# Altium PCB oysm_Keyboard.PcbDoc (part 2 of 2)
Units mm, origin at the board's own origin, x right, y up, seen from the top; angles counter-clockwise.
Board outline 76.2 x 76.28 mm, 2 copper layers (Top Layer, Bottom Layer); 115 components, 123 nets, 500 pads, 467 vias.
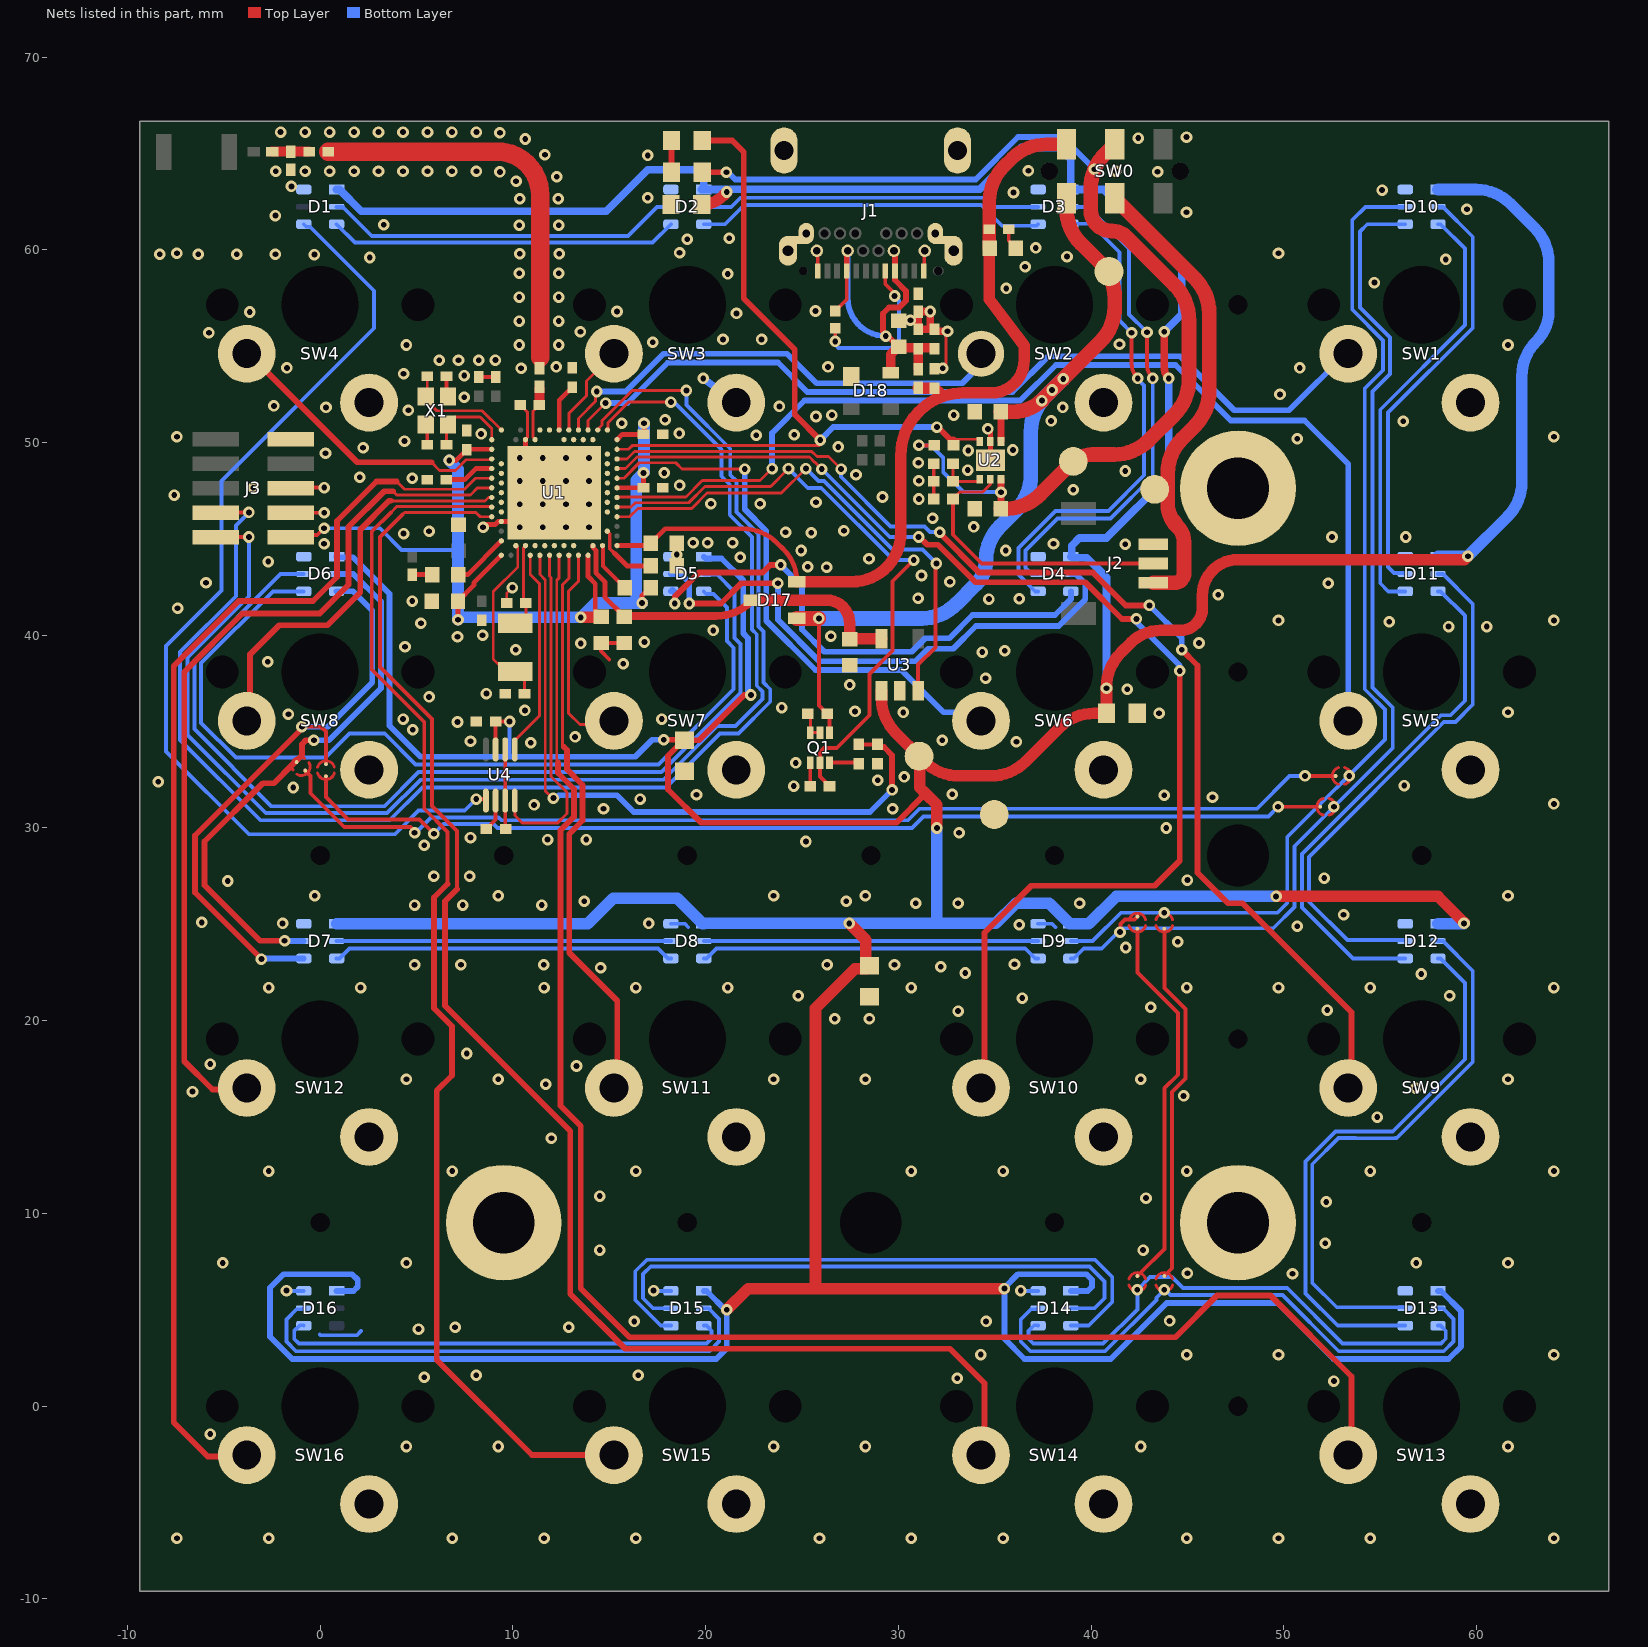
[diagram p2: the nets of this part, all layers, seen from the top]

## Via types
v1: diameter 0.6, hole 0.3, Top Layer to Bottom Layer, tented both sides, 467 vias

## Nets (pads, with @x,y where several pads share a name; then routed paths per layer and width w, separated by ;. In a path a pad name is that pad's centre, name@x,y a point inside that pad or via, vN(x,y) a via of type N, cw(c..) or ccw(c..) an arc to the next point about the centre after c; other vN are vias at no path point) (continued)
GND: C1.2 C2.2 C3.1 C5.2 C6.2 C7.2 C8.2 C9.2 C10.1 C11.2 C12.2 C13.2 C14.2 C15.1 C16.1 C17.1 C18.2 C19.2 C20.2 C21.1 C22.1 C23.1 C24.1 C25.1 C26.1 C28.1 C29.1 C30.1 C31.1 C33.2 C34.2 C35.1 C36.1 C41.1 D1.6 D2.6 D3.6 D4.6 D5.6 D6.6 D7.6 D8.6 D9.6 D10.6 D11.6 D12.6 D13.6 D14.6 D15.6 D16.6 D18.1 FB2.2 J2.1 J3.3 J3.5 J3.9 L6.2 pad.666 Q1.1 R3.2 R4.2 R5.2 R6.2 R9.2 SW1.2 SW2.2 SW3.2 SW4.2 SW5.2 SW6.2 SW7.2 SW8.2 SW9.2 SW10.2 SW11.2 SW12.2 SW13.2 SW14.2 SW15.2 SW16.2 TP5.1 U1.74 U1.B7 U1.F23 U2.2 U2.7 U3.2 U4.2 X1.2 X1.4 | length 44.2
  Top Layer w0.145: C17.1@9.675,41.675 9.675,42.175 v1(9.975,42.475) ; C3.1@10.375,51.952 10.755,51.571 10.755,50.255 U1.F23@10.65,50.15
  Top Layer w0.15: v1(32.3,53.85) 32.475,54.025 32.475,55.7 v1(32.55,55.775)
  Top Layer w0.2: J3.3@-1.525,46.355 v1(0.21,46.355) ; J3.5@-1.525,47.665 v1(0.21,47.665) ; X1.2@5.48,50.936 5.555,50.861 C2.2@5.555,49.883 ; C1.2@6.555,53.439 6.555,52.461 X1.4@6.63,52.386 ; C11.2@8.225,53.4 C10.1@9.1,53.4 ; C21.1@8.625,29.95 9.1,30.425 U4.2@9.1,31.425 ; 15,38.75 14.575,39.175 C6.2@14.575,39.6 C18.2@15.775,39.6 ; C19.2@18.5,43.6 C20.2@18.5,44.775 ; R6.2@25.425,32.175 25.431,32.181 Q1.1@25.431,33.397 ; R5.2@31.834,47.072 R3.2@31.834,47.987 R4.2@31.834,48.901 ; C34.2@35.725,61.075 35.725,60.475 36.1,60.1 C33.2@36.1,60.075
  Top Layer w0.25: v1@8.508,45.742 9.069,45.742 9.226,45.9 U1.B7@9.4,45.9 10.65,45.9 U1.74@12.15,47.4 10.65,48.9 U1.F23@10.65,50.15
  Top Layer w0.254: v1(34.646,50.705) 34.773,50.578 U2.2@34.773,50.054 U2.7@34.773,49.079
  Top Layer w0.4: C30.1@30.025,56.325 30.025,56.35 31.025,56.35 ; v1@32.445,55.775 31.875,55.775 C28.1@31.875,55.875 C28.1@31.65,55.875 ; 31.025,56.35 FB2.2@31.025,56.775 31.025,56.8 v1(31.65,56.8) C28.1@31.65,55.875 ; 31.025,56.35 C31.1@31.025,55.875 C28.1@31.65,55.875
  Bottom Layer w0.2: v1(-1.75,6) -1.73,5.98 D16.6@-0.85,5.98 ; -0.025,3.725 0.02,3.68 1.905,3.68 2.125,3.9 ; v1(17.3,6) 17.32,5.98 D15.6@18.2,5.98 ; D8.6@18.2,25.03 18.92,25.03 19.1,24.85 ; v1(36.35,6) 36.37,5.98 D14.6@37.25,5.98 ; D9.6@37.25,25.03 37.97,25.03 38.15,24.85
  Bottom Layer w0.4: v1(19.875,53.325) SW3.2@21.59,52.07
  other v1: -7.432,-6.857 -2.669,-6.857 6.857,-6.857 11.62,-6.857 16.383,-6.857 25.909,-6.857 30.672,-6.857 35.435,-6.857 44.961,-6.857 49.724,-6.857 54.487,-6.857 64.013,-6.857 4.475,-2.094 9.238,-2.094 23.527,-2.094 28.29,-2.094 42.579,-2.094 61.631,-2.094 -5.7,-1.45 52.6,1.3 33.05,1.45 5.4,1.5 8.1,1.6 16.5,1.6 44.961,2.669 49.724,2.669 64.013,2.669 34.275,2.675 5.1,4 7,4.1 12.9,4.1 16.3,4.4 34.55,4.4 44.075,4.425 50.45,6.875 45,6.9 -5.051,7.432 4.475,7.432 56.868,7.432 61.631,7.432 14.5,8.1 42.7,8.1 52.15,8.45 52.2,10.6 42.85,10.8 14.5,10.9 -2.669,12.195 6.857,12.195 16.383,12.195 30.672,12.195 35.435,12.195 44.961,12.195 54.487,12.195 64.013,12.195 12,13.9 54.85,15 44.8,16.1 -6.625,16.325 56.85,16.5 11.7,16.7 4.475,16.958 9.238,16.958 23.527,16.958 28.29,16.958 42.579,16.958 61.631,16.958 13.3,17.65 -5.7,17.75 7.6,18.3 26.7,20.1 28.5,20.1 33.1,20.5 52.25,20.55 43.1,20.7 36.425,21.175 24.8,21.3 58.6,21.3 -2.669,21.721 2.094,21.721 11.62,21.721 16.383,21.721 21.146,21.721 30.672,21.721 44.961,21.721 49.724,21.721 54.487,21.721 64.013,21.721 57.125,22.425 33.475,22.475 14.55,22.75 32.2,22.8 4.9,22.9 7.3,22.9 11.6,22.9 26.3,22.9 29.8,22.9 36.025,22.925 41.8,23.8 44.5,24.1 50.7,24.9 36.275,24.975 -1.95,25.05 17.05,25.05 -6.15,25.1 53.1,25.5 4.9,26 7.4,26 11.5,26 30.9,26.1 33.1,26.1 39.4,26.1 13.7,26.2 27.3,26.2 -0.288,26.484 9.238,26.484 23.527,26.484 28.29,26.484 61.631,26.484 -4.8,27.25 45,27.3 52.1,27.4 5.9,27.5 7.75,27.5 5.4,29.1 25.2,29.3 11.8,29.4 13.8,29.4 7.8,29.5 33.15,29.75 43.9,30 14.7,31 29.7,31 11.1,31.2 64.013,31.247 16.6,31.5 46.3,31.6 43.8,31.7 19.525,31.725 32.8,31.75 -1.4,32.1 24.575,32.175 56.25,32.2 -8.4,32.4 28.925,32.475 30.3,32.65 24.675,33.375 10.925,34.425 36.125,34.475 7.8,34.5 32.275,34.55 13.225,34.725 4.8,35.1 7.125,35.5 4.3,35.65 17.725,35.65 -1.65,35.9 43.525,35.95 30.25,36 61.631,36.01 27.75,36.05 10.625,36.1 23.95,36.25 5.65,36.8 8.625,36.975 41.875,37.2 27.475,37.425 34.525,37.775 15.725,38.525 -2.725,38.625 34.35,39.125 35.525,39.2 10.15,39.248 4.4,39.4 13.525,39.575 45.6,39.6 16.825,39.65 7.125,39.925 26.5,39.95 8.425,40 20.4,40.25 58.55,40.45 60.525,40.45 5.225,40.625 55.475,40.7 49.724,40.773 64.013,40.773 -7.4,41.4 4.775,41.775 34.7,41.875 36.275,41.9 31.025,41.925 46.6,42.1 52.3,42.7 -5.925,42.725 32.675,42.775 31.2,43.1 26.275,43.525 25.3,43.55 -2.7,43.825 28.475,43.975 21.8,44.05 18.5,44.187 24.95,44.4 35.575,44.4 41.775,44.725 0.2,44.75 38.05,44.75 19.35,44.8 20.1,44.8 21.4,44.8 52.5,45.1 56.325,45.1 4.325,45.275 25.475,45.325 24.15,45.35 5.65,45.4 27.175,45.425 8.45,45.6 10.35,45.6 11.55,45.6 12.75,45.6 13.95,45.6 33.909,45.625 31.775,46.075 10.35,46.8 11.55,46.8 12.75,46.8 13.95,46.8 20.275,46.825 22.825,46.825 25.725,46.9 31.064,47.072 29.175,47.175 -7.575,47.275 39.075,47.55 -3.475,47.65 18.65,47.777 10.35,48 11.55,48 12.75,48 13.95,48 31.064,48.012 4.775,48.15 2.05,48.2 27.8,48.325 17.85,48.425 41.775,48.525 33.604,48.571 31.039,48.952 10.35,49.2 11.55,49.2 12.75,49.2 13.95,49.2 0.275,49.45 33.63,49.587 35.941,49.612 2.225,49.725 26.875,49.775 4.375,50.075 50.7,50.2 -7.432,50.299 64.013,50.299 22.625,50.375 24.6,50.4 8.35,50.45 18.626,50.476 15.65,51 56.2,51.1 37.925,51.125 17.894,51.178 25.725,51.35 26.55,51.425 32.875,51.425 4.575,51.675 0.3,51.825 38.525,51.825 23.825,51.875 -2.4,51.9 7.475,52.35 49.8,52.5 7.475,53.475 4.325,53.575 10.425,53.85 -1.725,53.875 50.825,53.875 12.25,53.925 26.35,53.925 6.175,54.275 7.175,54.275 8.225,54.275 9.094,54.278 4.475,55.062 10.333,55.06 12.383,55.06 61.631,55.062 41.475,55.1 17.25,55.2 20.9,55.35 22.9,55.35 -5.775,55.7 13.5,55.75 10.331,56.303 12.381,56.303 30.625,56.35 21.6,56.7 -3.65,56.775 15.4,56.8 25.7,56.825 10.33,57.546 12.38,57.546 35.6,58 54.7,58.3 21.15,58.75 10.328,58.789 12.378,58.789 36.575,59.125 58.4,59.5 2.575,59.6 38.75,59.65 -0.3,59.75 -8.325,59.775 -6.325,59.775 -4.325,59.775 -2.325,59.775 10.35,59.8 12.4,59.8 -7.432,59.825 49.724,59.825 18.65,59.85 37.125,60.1 19.05,60.55 21.225,60.6 10.325,61.275 12.375,61.275 3.3,61.3 -2.325,61.775 44.95,61.95 59.5,62.1 10.35,62.65 12.35,62.65 17,62.7 35.975,62.975 55.1,63.1 -1.495,63.289 10.164,63.559 12.272,63.788 9.325,64.042 43.45,64.05 -2.308,64.076 -0.784,64.076 0.486,64.076 1.756,64.076 3.026,64.076 4.296,64.076 5.566,64.076 6.836,64.076 8.106,64.076 41.275,64.075 36.75,64.1 17,64.9 11.662,64.931 10.634,65.749 42.45,65.8 44.95,65.85 9.325,66.074 -2.054,66.108 -0.784,66.108 0.486,66.108 1.756,66.108 3.026,66.108 4.296,66.108 5.566,66.108 6.836,66.108 8.106,66.108
NetC3_2: C3.2 L1.1 U1.H23 | length 2.9
  Top Layer w0.145: U1.H23@11.15,50.15 11.045,50.255 11.045,51.62 11.379,51.955 C3.2@11.384,51.96
  Top Layer w0.508: C3.2@11.379,51.955 L1.1@11.379,52.849
NetC4_1: C4.1 L5.1 L6.1 | length 1.9
  Top Layer w0.508: L5.1@-2.499,65.095 C4.1@-0.574,65.095
NetC9_1: C9.1 U1.N24 | length 2.5
  Top Layer w0.25: U1.N24@12.4,50.65 12.4,52.2 C9.1@13.075,52.875
NetC13_1: C13.1 U1.A18 | length 2.6
  Top Layer w0.25: C13.1@6.55,48.075 7.501,48.075 8.076,48.65 U1.A18@8.9,48.65
NetC19_1: C19.1 U1.AC5 | length 3.5
  Top Layer w0.184: U1.AC5@14.9,45.4 15.025,45.275 15.025,44.495 15.278,44.242
  Top Layer w0.25: 15.278,44.242 15.92,43.6 C19.1@17.15,43.6
NetC28_2: C28.2 C30.2 C31.2 D18.4 FB1.1 J1.4 J1.9 J1.16 J1.21 R13.1 | length 19.5
  Top Layer w0.2: R13.1@26.725,56.825 27.32,57.42 J1.9@27.32,58.9 ; J1.16@27.345,59.925 J1.16@27.37,59.95
  Top Layer w0.3: J1.9@27.32,58.9 27.32,59.9 J1.16@27.345,59.925 ; v1@29.2,55.775 29.2,56.692 29.516,57.008 30.048,57.008 30.396,57.356 30.396,57.856 29.82,58.433 J1.4@29.82,58.9 29.82,59.9 J1.21@29.77,59.95 ; v1@29.4,55.575 29.775,55.2 30,54.975 C30.2@30.025,54.975 C30.2@30.075,54.925 ; C28.2@31.825,54.925 C28.2@31.875,54.875
  Top Layer w0.5: D18.4@29.6,53.63 29.6,54.575 C30.2@30,54.975 ; C30.2@30.075,54.925 C28.2@31.825,54.925 ; FB1.1@31.025,53.8 C31.2@31.025,54.875
  Bottom Layer w0.3: J1.16@27.37,59.95 27.37,57.505 ccw(c29.35,57.505) v1(29.35,55.525)
NetD0_1: D0.1 R1.1 | length 1.6
  Top Layer w0.3: R1.1@18.225,64.025 D0.1@18.225,65.675
NetD1_2: D1.2 D2.5 | length 18.6
  Bottom Layer w0.2: D1.2@0.85,62.23 1.17,62.23 2.675,60.725 15.975,60.725 17.48,62.23 D2.5@18.2,62.23
NetD1_3: D1.3 D2.4 | length 18.1
  Bottom Layer w0.2: D1.3@0.85,61.33 1.805,60.375 17.245,60.375 D2.4@18.2,61.33
NetD2_2: D2.2 D3.5 | length 17.7
  Bottom Layer w0.2: D2.2@19.9,62.23 21.33,62.23 21.8,62.7 34.45,62.7 34.92,62.23 D3.5@37.25,62.23
NetD2_3: D2.3 D3.4 | length 18.2
  Bottom Layer w0.2: D2.3@19.9,61.33 21.005,61.33 22,62.325 34.3,62.325 35.375,61.25 37.17,61.25 D3.4@37.25,61.33
NetD3_2: D3.2 D4.5 | length 26.2
  Top Layer w0.2: v1(42.9,55.725) 42.9,54.057 ccw(c43.931,54.057) 42.906,53.944 ccw(c43.931,54.057) 43.05,53.521 ccw(c43.931,54.057) v1(43.202,53.328)
  Bottom Layer w0.2: D4.5@37.25,43.18 36.92,43.18 36.6,43.5 36.6,44.4 38.25,46.05 41,46.05 43.225,48.275 43.202,48.298 v1(43.202,53.328) ; D3.2@38.95,62.23 39.82,62.23 41.975,60.075 41.975,56.65 42.852,55.773 42.804,55.725 v1(42.9,55.725)
NetD3_3: D3.3 D4.4 | length 26
  Top Layer w0.2: v1(42.1,55.7) 42.1,54.11 ccw(c43.21,54.11) v1(42.425,53.325)
  Bottom Layer w0.2: D4.4@37.25,42.28 37.1,42.28 36.225,43.155 36.225,44.52 38.155,46.45 40.9,46.45 42.75,48.3 42.75,52.965 v1@42.407,53.308 ; D3.3@38.95,61.33 38.97,61.35 40,61.35 41.475,59.875 41.475,56.325 v1(42.1,55.7)
NetD4_2: D4.2 D5.5 | length 29.1
  Top Layer w0.3: v1(19.15,41.65) 20.8,41.65 21.85,42.7 v1(23.75,42.7)
  Bottom Layer w0.3: D5.5@18.2,43.18 18.72,43.18 19.15,42.75 v1(19.15,41.65) ; v1(23.75,42.7) 23.75,40.8 25.9,38.65 30.9,38.65 31.55,39.3 32.85,39.3 34.025,40.475 38.325,40.475 39.7,41.85 39.7,42.68 39.2,43.18 D4.2@38.95,43.18
NetD4_3: D4.3 D5.4 | length 27.2
  Top Layer w0.3: v1(18.4,41.65) 18.4,42 19.65,43.25 22.95,43.25 23.35,43.65 v1(23.9,43.65)
  Bottom Layer w0.3: D5.4@18.2,42.28 18.285,42.365 18.4,42.25 v1(18.4,41.65) ; v1(23.9,43.65) 25,42.55 25,40.3 26.15,39.15 30.7,39.15 31.4,39.85 32.65,39.85 33.85,41.05 38.125,41.05 38.95,41.875 D4.3@38.95,42.28
NetD5_2: D5.2 D6.5 | length 50.9
  Bottom Layer w0.2: D6.5@-0.85,43.18 -2.051,43.18 -6.53,38.701 -6.53,35.135 -2.52,31.125 3.325,31.125 5.1,32.9 17.7,32.9 21.8,37 21.8,39.55 21.5,39.85 21.5,42.25 20.6,43.15 19.93,43.15 D5.2@19.9,43.18
NetD5_3: D5.3 D6.4 | length 47.1
  Bottom Layer w0.2: D6.4@-0.85,42.28 -2.456,42.28 -6.18,38.556 -6.18,35.455 -4.375,33.65 0.275,33.65 1.525,34.9 3.35,34.9 4.95,33.3 17.55,33.3 21.45,37.2 21.45,39.35 21.1,39.7 21.1,41.45 20.405,42.145 20.035,42.145 D5.3@19.9,42.28
NetD6_2: D6.2 D7.5 SB2.2 | length 28.8
  Top Layer w0.3: v1(-1.85,24.15) -3.125,24.15 -6,27.025 -6,29.3 -2.975,32.325 -2.4,32.325 -1.474,33.251 -1.051,33.674 -0.95,33.775 -0.95,34.35 -0.75,34.55 v1(-0.325,34.55)
  Bottom Layer w0.3: v1(-1.85,24.15) -1.83,24.13 D7.5@-0.85,24.13 ; v1(-0.325,34.55) 0.45,34.55 3.15,37.25 3.15,41.75 1.72,43.18 D6.2@0.85,43.18
NetD6_3: D6.3 D7.4 SB1.2 | length 31.6
  Top Layer w0.2: v1@-0.95,35.159 -0.859,35.25 0.05,35.25 0.3,35 0.3,33.487 SB1.2@0.3,33.312
  Top Layer w0.3: v1(-3.05,23.2) -6.5,26.65 -6.5,29.609 v1@-0.95,35.159
  Bottom Layer w0.3: v1(-3.05,23.2) -3.02,23.23 D7.4@-0.85,23.23 ; v1(-0.95,35.25) 0.403,35.25 2.7,37.547 2.7,41.28 1.7,42.28 D6.3@0.85,42.28
NetD7_2: D7.2 D8.5 | length 17.3
  Bottom Layer w0.2: D7.2@0.85,24.13 D8.5@18.2,24.13
NetD7_3: D7.3 D8.4 | length 17.8
  Bottom Layer w0.2: D7.3@0.85,23.23 1,23.23 1.52,23.75 17.53,23.75 18.05,23.23 D8.4@18.2,23.23
NetD8_2: D8.2 D9.5 | length 17.3
  Bottom Layer w0.2: D8.2@19.9,24.13 D9.5@37.25,24.13
NetD8_3: D8.3 D9.4 | length 17.8
  Bottom Layer w0.2: D8.3@19.9,23.23 20.05,23.23 20.57,23.75 36.58,23.75 37.1,23.23 D9.4@37.25,23.23
NetD9_2: D9.2 D10.5 SB4.1 SB6.2 | length 54.1
  Bottom Layer w0.2: D9.2@38.95,24.13 40.075,24.13 41.545,25.6 v1(43.8,25.6) 49.675,25.6 50.175,26.1 50.175,29.525 55.25,34.6 55.25,36.15 54.2,37.2 54.2,52.8 55.15,53.75 55.15,55.3 53.55,56.9 53.55,61.55 54.23,62.23 D10.5@56.3,62.23
  other v1: 53.4,32.7
NetD9_3: D9.3 D10.4 SB3.1 SB5.2 | length 55.3
  Top Layer w0.2: v1(41.5,24.6) 41.524,24.624 41.524,25.024 41.756,25.256 41.974,25.256 42.256,25.256 SB5.2@42.4,25.4
  Bottom Layer w0.2: D9.3@38.95,23.23 39.1,23.23 39.62,23.75 40.55,23.75 41.6,24.8 49.45,24.8 50.55,25.9 50.55,29.05 v1(52.6,31.1) 55.65,34.15 55.65,36.245 54.6,37.295 54.6,52.65 55.5,53.55 55.5,55.45 53.95,57 53.95,60.95 54.33,61.33 D10.4@56.3,61.33
NetD10_2: D10.2 D11.5 | length 22.4
  Bottom Layer w0.2: D11.5@56.3,43.18 56.25,43.23 55.72,43.23 55.4,43.55 55.4,51.55 59.8,55.95 59.8,60.68 58.25,62.23 D10.2@58,62.23
NetD10_3: D10.3 D11.4 | length 22.6
  Bottom Layer w0.2: D11.4@56.3,42.28 55.42,42.28 55,42.7 55,51.7 59.4,56.1 59.4,60.066 58.136,61.33 D10.3@58,61.33
NetD11_2: D11.2 D12.5 | length 27.6
  Bottom Layer w0.2: D12.5@56.3,24.13 56.25,24.18 53.295,24.18 51.3,26.175 51.3,28.5 58.3,35.5 58.9,35.5 59.8,36.4 59.8,41.63 58.25,43.18 D11.2@58,43.18
NetD11_3: D11.3 D12.4 | length 27.3
  Bottom Layer w0.2: D12.4@56.3,23.23 53.595,23.23 50.95,25.875 50.95,28.65 58.15,35.85 58.65,35.85 59.4,36.6 59.4,41.016 58.136,42.28 D11.3@58,42.28
NetD12_2: D12.2 D13.5 | length 29.2
  Bottom Layer w0.2: D13.5@56.3,5.08 56.25,5.13 52.745,5.13 51.475,6.4 51.475,12.555 52.827,13.907 53.72,13.907 53.728,13.9 55.795,13.9 55.802,13.907 55.857,13.907 59.8,17.85 59.8,22.58 58.25,24.13 D12.2@58,24.13
NetD12_3: D12.3 D13.4 | length 29.1
  Bottom Layer w0.2: D13.4@56.3,4.18 52.795,4.18 51.125,5.85 51.125,12.7 52.682,14.257 53.865,14.257 53.873,14.25 55.65,14.25 59.4,18 59.4,21.966 58.136,23.23 D12.3@58,23.23
NetD13_2: D13.2 D14.5 SB8.1 | length 30.1
  Bottom Layer w0.2: D14.5@37.25,5.08 37.2,5.03 36.88,5.03 36.35,4.5 36.35,3.35 36.85,2.85 40.72,2.85 43.385,5.515 43.385,5.627 v1(43.8,6.042) 43.85,6.042 44.117,5.775 49.925,5.775 52.85,2.85 58.3,2.85 58.8,3.35 58.8,4.53 58.25,5.08 D13.2@58,5.08
NetD13_3: D13.3 D14.4 SB7.1 | length 27.3
  Bottom Layer w0.2: D14.4@37.25,4.18 37.23,4.2 37.05,4.2 36.75,3.9 36.75,3.5 37,3.25 40.625,3.25 42.4,5.025 v1(42.4,6.042) 43.058,6.7 44.2,6.7 44.775,6.125 50.175,6.125 53.05,3.25 58.15,3.25 58.4,3.5 58.4,3.916 58.136,4.18 D13.3@58,4.18
NetD14_2: D14.2 D15.5 | length 30.2
  Bottom Layer w0.2: D15.5@18.2,5.08 17.27,5.08 16.75,5.6 16.75,6.85 17.15,7.25 39.921,7.25 40.7,6.471 40.7,5.6 40.18,5.08 D14.2@38.95,5.08
NetD14_3: D14.3 D15.4 | length 33.2
  Bottom Layer w0.2: D15.4@18.2,4.18 17.67,4.18 16.35,5.5 16.35,7 16.95,7.6 40.2,7.6 41.1,6.7 41.1,5.4 39.88,4.18 D14.3@38.95,4.18
NetD15_2: D15.2 D16.5 | length 27.4
  Bottom Layer w0.2: D16.5@-0.85,5.08 -0.9,5.03 -1.22,5.03 -1.75,4.5 -1.75,3.35 -1.25,2.85 20.2,2.85 20.7,3.35 20.7,4.53 20.15,5.08 D15.2@19.9,5.08
NetD15_3: D15.3 D16.4 | length 23.8
  Bottom Layer w0.2: D16.4@-0.85,4.18 -0.87,4.2 -1.05,4.2 -1.35,3.9 -1.35,3.5 -1.1,3.25 20.05,3.25 20.3,3.5 20.3,3.916 20.036,4.18 D15.3@19.9,4.18
NetFB2_1: FB2.1 J1.0 J1.1 J1.12 J1.13 J1.24 J1.@24.07,65.15 J1.@24.275,59.95 J1.@25.22,60.85 J1.@33.07,65.15 | length 2.1
  Top Layer w0.2: J1.13@25.77,59.95 cw(c25.77,59.9) 25.82,59.9 J1.12@25.82,58.9 ; J1.1@31.32,58.9 31.345,58.925 31.345,59.925 J1.24@31.37,59.95
NetJ1_5: J1.5 R13.2 | length 8.3
  Top Layer w0.2: v1(26.725,55.25) R13.2@26.725,55.925 ; J1.5@29.32,58.9 29.32,58.23 29.801,57.749 v1(29.801,57.603)
  Bottom Layer w0.2: v1(26.725,55.25) 26.725,55.075 26.9,54.9 29.625,54.9 30.025,55.3 30.025,57.379 v1(29.801,57.603)
NetJ2_3: J2.3 SW0.5 TP1.1 | length 24.8
  Top Layer w0.762: SW0.5@41.225,62.675 45.381,58.519 cw(c43.585,56.723) 46.125,56.723 46.125,52.652 cw(c43.585,52.652) 45.381,50.856 44.719,50.194 ccw(c46.515,48.398) 43.975,48.398 43.975,46.832 ccw(c45.682,46.832) 44.132,46.116 ; J2.3@43.225,42.725 44.325,42.725 ccw(c44.325,43.225) 44.825,43.225 44.825,44.814 ccw(c43.629,44.814) 44.475,45.66 ccw(c42.285,44.373) 44.132,46.116 ; 44.475,45.625 cw(c45.682,46.832) 44.132,46.116
NetL2_1: L2.1 L3.2 | length 1.1
  Top Layer w0.25: L3.2@4.775,43.15 L2.1@5.825,43.15
NetL2_2: L2.2 U1.B3 | length 2.9
  Top Layer w0.25: L2.2@7.175,43.15 7.65,43.15 U1.B3@9.4,44.9
NetL4_2: L4.2 U1.AB2 | length 2.7
  Top Layer w0.21: U1.AB2@14.65,44.65 14.683,44.617 14.683,43.592 L4.2@15.8,42.475
NetQ1_3: Q1.3 R8.1 | length 1.5
  Top Layer w0.2: Q1.3@26.431,33.397 27.892,33.397 R8.1@27.95,33.339
NetQ1_5: Q1.5 Q1.6 R7.2 | length 1.5
  Top Layer w0.152: R7.2@25.304,35.925 25.431,35.798 Q1.6@25.431,34.947 Q1.5@25.931,34.947
NetR3_1: R3.1 R4.1 U2.4 | length 2.4
  Top Layer w0.152: R4.1@32.834,48.901 R3.1@32.834,47.987 34.106,47.987 U2.4@34.223,48.104
NetSB1_1: SB1.1 SB3.2 | length 54.2
  Top Layer w0.2: SB1.1@0.3,32.688 0.3,32.513 0.3,31.6 1.45,30.45 5.15,30.45 v1(5.9,29.7) ; v1(49.7,31.1) 51.713,31.1 SB3.2@51.888,31.1
  Bottom Layer w0.2: v1(5.9,29.7) 6.4,30.2 9,30.2 9.2,30 30.7,30 31.3,30.6 49.2,30.6 v1(49.7,31.1)
NetSB2_1: SB2.1 SB4.2 | length 56.8
  Top Layer w0.2: SB2.1@-0.779,32.979 -0.656,32.856 -0.5,32.7 -0.5,31.8 1.25,30.05 4.683,30.05 4.933,29.8 4.9,29.767 v1(4.9,29.75) ; v1(51.1,32.7) 52.513,32.7 SB4.2@52.688,32.7
  Bottom Layer w0.2: v1(4.9,29.75) 4.95,29.75 5.75,30.55 9.25,30.55 9.4,30.4 30.5,30.4 31.1,31 48.6,31 50.3,32.7 v1(51.1,32.7)
NetSB5_1: SB5.1 SB7.2 | length 19.8
  Top Layer w0.2: SB7.2@42.4,6.755 42.549,6.904 43.8,8.155 43.8,16.5 44.5,17.2 44.5,20.4 42.4,22.5 42.4,24.601 SB5.1@42.4,24.775
NetSB6_1: SB6.1 SB8.2 | length 18.9
  Top Layer w0.2: SB8.2@43.8,6.755 43.949,6.904 44.2,7.155 44.2,16.3 44.9,17 44.9,20.6 43.8,21.7 43.8,24.601 SB6.1@43.8,24.775
NTC: J2.2 R5.1 U2.5 | length 15.4
  Top Layer w0.152: R5.1@32.834,47.072 33.19,47.428 34.378,47.428 34.773,47.823 U2.5@34.773,48.104
  Top Layer w0.203: R5.1@32.834,47.072 32.834,45.216 34.325,43.725 J2.2@43.225,43.725
P0.00/XL1: C16.2 U1.D2 X2.1 | length 8.5
  Top Layer w0.145: X2.1@10.026,38.024 9.726,38.024 8.975,38.775 8.975,42.259 10.255,43.539 10.255,44.545 U1.D2@10.15,44.65 ; C16.2@10.6,36.973 X2.1@10.6,37.648
P0.01/XL2: C17.2 U1.F2 X2.2 | length 4
  Top Layer w0.145: U1.F2@10.65,44.65 10.545,44.545 10.545,41.805 C17.2@10.675,41.675
  Top Layer w0.15: X2.2@10.675,40.775 C17.2@10.675,41.675
P0.02/AIN0: SW8.1 U1.A12 | length 21.3
  Top Layer w0.15: 3.675,46.975 8.55,46.975 8.725,47.15 U1.A12@8.9,47.15
  Top Layer w0.3: SW8.1@-3.635,35.485 -3.635,39.015 -2.125,40.525 0.375,40.525 2.075,42.225 2.075,45.475 3.575,46.975 3.675,46.975
P0.03/AIN1: U1.B13
P0.04/AIN2: R8.2 R9.1 U1.J1 | length 35.2
  Top Layer w0.15: U1.J1@11.4,44.15 11.4,43.15 11.675,42.875 11.675,32.758 11.675,31.925 12.05,31.55 v1(12.1,31.55)
  Top Layer w0.2: R8.2@27.95,34.339 R9.1@28.915,34.339
  Top Layer w0.3: R9.1@28.915,34.339 28.915,34.325 29.04,34.2 29.25,34.2 29.675,33.775 v1(29.675,31.975)
  Bottom Layer w0.3: v1(12.1,31.55) 12.131,31.55 12.181,31.5 12.381,31.7 15.4,31.7 16.275,30.825 28.525,30.825 v1(29.675,31.975)
P0.05/AIN3: U1.K2
P0.06: U1.L1 U4.4 | length 17.6
  Top Layer w0.15: U4.4@10.1,31.425 10.1,30.65 10.5,30.25 12.3,30.25 12.8,30.75 12.8,31.85 11.975,32.675 11.975,42.992 11.9,43.067 U1.L1@11.9,44.15
P0.07/TRCLK: U1.M2
P0.08: SW13.1 U1.N1 | length 87
  Top Layer w0.15: 12.345,33.405 12.275,33.475 12.275,42.859 12.4,42.984 U1.N1@12.4,44.15
  Top Layer w0.3: 12.345,33.405 12.345,32.855 13.17,32.03 13.17,30.583 12.475,29.888 12.475,15.592 13.525,14.542 13.525,6.1 16.05,3.575 44.375,3.575 46.55,5.75 49.3,5.75 53.515,1.535 SW13.1@53.515,-2.615
P0.09/NFC1: U1.L24
P0.10/NFC2: U1.J24
P0.11/TRC2: U1.T2
P0.12/TRC1: SW7.1 U1.U1 | length 11.2
  Top Layer w0.15: U1.U1@13.4,44.15 13.4,42.8 12.875,42.275 12.875,35.975 13.475,35.375 15.305,35.375 SW7.1@15.415,35.485
P0.13: U1.AD8 U3.3 | length 26.7
  Top Layer w0.15: U1.AD8@15.4,46.15 16.05,46.15 16.482,46.582 19.275,46.582 20.068,47.375 23.925,47.375 v1(25.2,48.65)
  Top Layer w0.2: U3.3@31.025,37.125 31.025,38.475 31.925,39.375 31.925,43.675 v1(31.975,43.725)
  Bottom Layer w0.2: v1(25.2,48.65) 25.85,48 26.15,48 29.7,44.45 31.25,44.45 v1(31.975,43.725) v1@31.925,43.725
P0.14: U1.AC9
P0.15: Q1.2 R6.1 U1.AD10 | length 32.5
  Top Layer w0.15: U1.AD10@15.4,46.65 16.133,46.65 16.361,46.878 19.125,46.878 19.972,47.725 23.375,47.725 v1(24.3,48.65)
  Top Layer w0.2: R6.1@26.425,32.175 25.931,32.669 Q1.2@25.931,33.397 25.931,33.931 26.15,34.15 26.8,34.15 28.5,35.85 28.5,38 29.7,39.2 29.7,42.8 v1(30.8,43.9)
  Bottom Layer w0.2: v1(24.3,48.65) 25.3,47.65 26,47.65 29.75,43.9 v1(30.8,43.9)
P0.16: U1.AC11
P0.17: SW5.1 U1.AD12 | length 57.4
  Top Layer w0.15: U1.AD12@15.4,47.15 15.423,47.173 18.975,47.173 19.827,48.025 22.825,48.025 v1(23.45,48.65)
  Bottom Layer w0.3: v1(23.45,48.65) 23.45,50.5 25.125,52.175 36.325,52.175 38.175,54.025 44.375,54.025 47.25,51.15 51.075,51.15 53.34,48.885 SW5.1@53.34,35.56 ; SW5.1@53.515,35.485 SW5.1@53.515,35.56
P0.18/RESET: U1.AC13
P0.19: U1.AC15
P0.20: SW6.1 U1.AD16 | length 28.7
  Top Layer w0.15: U1.AD16@15.4,48.15 15.758,48.15 16.558,48.95 18.45,48.95 18.775,48.625 v1(22.025,48.625)
  Bottom Layer w0.3: v1(22.025,48.625) 22.025,46.541 23.15,45.416 23.15,40.75 25.7,38.2 30.15,38.2 32.34,36.01 33.84,36.01 SW6.1@34.29,35.56
P0.21: U1.AC17
P0.22: SW10.1 U1.AD18 | length 64
  Top Layer w0.15: U1.AD18@15.4,48.65 15.841,48.65 16.437,49.246 25.387,49.246 25.653,48.98 25.67,48.98 v1(26.025,48.625)
  Top Layer w0.3: v1(31.05,45.1) 31.1,45.1 31.5,44.7 32.05,44.7 34,42.75 39.7,42.75 41.6,40.85 v1(42.35,40.85) ; SW10.1@34.465,16.435 34.465,24.565 36.9,27 43.3,27 44.6,28.3 v1(44.6,38.15)
  Bottom Layer w0.2: v1(26.025,48.625) 29.55,45.1 v1(31.05,45.1)
  Bottom Layer w0.3: v1(42.35,40.85) 42.35,40.675 44.6,38.425 v1(44.6,38.15)
P0.23: U1.AC19
P0.24: SW9.1 U1.AD20 | length 61.3
  Top Layer w0.15: U1.AD20@15.4,49.15 15.923,49.15 16.315,49.541 ; 16.315,49.542 25.508,49.542 25.775,49.275 26.375,49.275 v1(27.025,48.625)
  Top Layer w0.3: v1(32.15,45.35) 32.15,45.3 34.2,43.25 40.1,43.25 41.8,41.55 v1(43.025,41.55) ; v1(44.7,39.25) 45.525,38.425 45.525,27.675 47.1,26.1 47.85,26.1 53.515,20.435 SW9.1@53.515,16.435
  Bottom Layer w0.2: v1(27.025,48.625) 27.025,48.225 29.6,45.65 31.35,45.65 31.65,45.35 v1(32.15,45.35)
  Bottom Layer w0.3: v1(43.025,41.55) 44.7,39.875 v1(44.7,39.25)
P0.25: U1.AC21
P0.26: U1.G1 U4.5 | length 10.8
  Top Layer w0.15: U4.5@10.1,34.075 10.1,34.55 11.375,35.825 11.375,42.675 10.9,43.15 U1.G1@10.9,44.15
P0.27: U1.H2
P0.28/AIN4: U1.B11
P0.29/AIN5: SW15.1 U1.A10 | length 63.9
  Top Layer w0.15: 3.675,46.375 3.975,46.675 U1.A10@8.875,46.675
  Top Layer w0.2: 3.675,46.375 2.675,45.375 2.675,38.225 5.4,35.5 5.4,31 6.6,29.8 6.6,27.1
  Top Layer w0.3: 6.6,27.1 5.9,26.4 5.9,20.65 6.837,19.713 6.837,17.163 6.05,16.375 6.05,2.4 10.99,-2.54 SW15.1@15.24,-2.54 15.24,-2.44 SW15.1@15.415,-2.615
P0.30/AIN6: U1.B9
P0.31/AIN7: SW14.1 U1.A8 | length 77.5
  Top Layer w0.15: 4.275,46.275 4.375,46.375 8.075,46.375 8.3,46.15 U1.A8@8.9,46.15
  Top Layer w0.2: 4.275,46.275 3.1,45.1 3.1,38.35 5.8,35.65 5.8,31.15 7.1,29.85 7.1,26.825
  Top Layer w0.3: 7.1,26.825 6.475,26.2 6.475,20.775 12.975,14.275 12.975,5.825 15.825,2.975 32.675,2.975 34.465,1.185 SW14.1@34.465,-2.615
P1.00/TRC0: D0.2 R2.2 U1.AD22 U2.3 | length 39
  Top Layer w0.15: U1.AD22@15.4,49.65 16.005,49.65 16.192,49.837 25.887,49.837 25.95,49.9 v1(25.95,50.125)
  Top Layer w0.152: 32.86,50.171 34.106,50.171 U2.3@34.223,50.054
  Top Layer w0.3: D0.2@19.825,65.675 21.375,65.675 21.975,65.075 21.975,57.475 24.625,54.825 24.625,51.45 v1(25.95,50.125) ; v1@32.025,50.825 32.679,50.171 32.86,50.171 R2.2@32.86,49.855
  Bottom Layer w0.3: v1(25.95,50.125) 26.625,50.8 v1(32,50.8)
P1.01: U1.Y23
P1.02: SW1.1 U1.W24 | length 45
  Top Layer w0.15: U1.W24@13.9,50.65 13.9,51.15 14.8,52.05 v1(14.811,52.05)
  Bottom Layer w0.3: v1(14.811,52.05) 15.95,52.05 18.05,54.15 23.75,54.15 25.275,52.625 35.925,52.625 37.775,54.475 44.625,54.475 47.425,51.675 50.275,51.675 SW1.1@53.325,54.725
P1.03: U1.V23
P1.04: SW2.1 U1.U24 | length 24.7
  Top Layer w0.15: U1.U24@13.4,50.65 13.4,51.25 14.275,52.125 14.275,52.575 v1(14.35,52.65)
  Bottom Layer w0.3: v1(14.35,52.65) 15.85,52.65 17.81,54.61 24.215,54.61 25.75,53.075 33.316,53.075 34.29,54.049 SW2.1@34.29,54.61
P1.05: U1.T23
P1.06: SW3.1 U1.R24 | length 4.9
  Top Layer w0.15: U1.R24@12.9,50.65 12.9,51.5 13.825,52.425 13.825,53.195 SW3.1@15.24,54.61
P1.07: U1.P23
P1.08: U1.P2
P1.09/TRC3: SW11.1 U1.R1 | length 29.6
  Top Layer w0.15: 12.645,34.205 12.575,34.275 12.575,42.625 12.9,42.95 U1.R1@12.9,44.15
  Top Layer w0.3: 12.645,34.205 12.8,34.05 12.8,33.05 13.615,32.235 13.615,30.386 12.92,29.691 12.92,23.53 15.415,21.035 SW11.1@15.415,16.435
P1.10: SW4.1 U1.A20 | length 15.3
  Top Layer w0.15: 5.775,48.975 6.195,48.555 7.018,48.555 7.568,49.105 8.9,49.105 U1.A20@8.9,49.15
  Top Layer w0.3: SW4.1@-3.635,54.535 1.925,48.975 5.775,48.975
P1.11: U1.B19
P1.12: U1.B17
P1.13: SW16.1 U1.A16 | length 66.5
  Top Layer w0.15: 3.975,47.975 4.375,47.575 7.489,47.575 8.064,48.15 U1.A16@8.9,48.15
  Top Layer w0.3: SW16.1@-3.635,-2.615 -5.835,-2.615 -7.6,-0.85 -7.6,38.4 -4.225,41.775 -0.375,41.775 0.875,43.025 0.875,45.925 2.925,47.975 3.975,47.975
P1.14: U1.B15
P1.15: SW12.1 U1.A14 | length 46
  Top Layer w0.15: 3.775,47.475 3.97,47.28 7.797,47.28 8.167,47.65 U1.A14@8.9,47.65
  Top Layer w0.3: SW12.1@-3.635,16.435 -5.585,16.435 -7.05,17.9 -7.05,38.1 -4.025,41.125 -0.025,41.125 1.475,42.625 1.475,45.625 3.325,47.475 3.775,47.475
RF: C4.2 L1.2 | length 20.7
  Top Layer w0.965: C4.2@0.426,65.095 9.175,65.095 cw(c9.175,62.859) 11.411,62.859 11.411,54.412
SDI: D1.4 U4.1 | length 52.6
  Top Layer w0.2: v1(8.1,31.5) 8.525,31.5 U4.1@8.6,31.425
  Bottom Layer w0.2: D1.4@-0.85,61.33 -0.715,61.195 -0.52,61.195 2.8,57.875 2.8,55.93 -5.125,48.005 -5.125,42.325 -8,39.45 -8,33.975 -3.7,29.675 3.875,29.675 5.1,30.9 7.5,30.9 v1(8.1,31.5)
SWDCLK: J3.4 U1.AA24 | length 73.5
  Top Layer w0.15: U1.AA24@14.4,50.65 14.4,50.684 14.629,50.913 14.629,51.133 16.196,52.7 v1(19,52.7) v1@19.04,52.7
  Top Layer w0.2: J3.4@-5.425,46.355 -5.405,46.375 v1(-3.7,46.375)
  Bottom Layer w0.2: v1(-3.7,46.375) -4.375,45.7 -4.375,42.025 -7.275,39.125 -7.275,34.575 -3.1,30.4 3.6,30.4 5.3,32.1 17.95,32.1 20.75,34.9 21.7,34.9 23.35,36.55 23.35,37.2 23,37.55 23,40.2 22.75,40.45 22.75,45.25 21.6,46.4 21.6,48 21.275,48.325 21.275,49.675 19,51.95 v1(19,52.7)
SWDIO: J3.2 U1.AC24 | length 68.8
  Top Layer w0.15: U1.AC24@14.9,50.65 14.924,50.674 14.924,51.011 16.013,52.1 v1(18.2,52.1)
  Top Layer w0.2: J3.2@-5.425,45.085 -5.41,45.1 v1(-3.7,45.1)
  Bottom Layer w0.2: v1(-3.7,45.1) -3.7,42.026 -6.88,38.846 -6.88,34.83 -2.825,30.775 3.475,30.775 5.2,32.5 17.8,32.5 20.6,35.3 21.55,35.3 22.95,36.7 22.95,37.078 22.65,37.378 22.65,40.05 22.4,40.3 22.4,45.1 21.25,46.25 21.25,47.825 20.825,48.25 20.825,49.63 18.355,52.1 v1(18.2,52.1)
VBUS: C20.1 C29.2 C33.1 C34.1 D17.2 FB1.2 SW0.3 U1.AD2 | length 47.2
  Top Layer w0.25: U1.AD2@15.4,44.65 17.025,44.65 C20.1@17.15,44.775 17.9,45.525 21.923,45.525 cw(c21.923,42.985) 23.719,44.781 24.05,44.45 cw(c22.42,42.82) 24.725,42.82 D17.2@24.725,42.775
  Top Layer w0.6: D17.2@24.725,42.775 27.585,42.775 ccw(c27.585,45.315) 30.125,45.315 30.125,49.325 cw(c33.375,49.325) 31.469,51.958 cw(c33.375,49.325) 32.143,52.332 ; FB1.2@31.025,52.85 31.05,52.825 C29.2@31.875,52.825 32.143,52.557 32.143,52.332 ; C33.1@34.725,60.075 34.725,57.425 36.525,55.025 36.525,54.275 cw(c34.825,54.275) 34.825,52.575 33.375,52.575 ccw(c33.375,49.325) 32.143,52.332
  Top Layer w0.7: C33.1@34.725,60.075 C34.1@34.725,61.075 34.725,62.523 cw(c37.265,62.523) 35.469,64.319 35.881,64.731 cw(c37.677,62.935) 37.677,65.475 SW0.3@38.725,65.475
VCC_P3V3: C21.2 U4.3 U4.6 | length 4
  Top Layer w0.2: U4.6@9.6,34.075 U4.3@9.6,31.425 9.6,30.1 C21.2@9.65,30.05
VDD: C22.2 C23.2 C24.2 C25.2 C26.2 D1.1 D2.1 D3.1 D4.1 D5.1 D6.1 D7.1 D8.1 D9.1 D10.1 D11.1 D12.1 D13.1 D14.1 D15.1 D16.1 TP4.1 U3.1 U4.7 | length 389.6
  Top Layer w0.2: U4.7@9.1,34.075 C22.2@9.1,35.525 v1(9.825,35.525)
  Top Layer w0.3: v1(17.825,34.575) 18.825,34.575 C25.2@18.85,34.55 ; v1(22.35,36.9) 22,36.9 19.65,34.55 C25.2@18.9,34.55 C25.2@18.85,34.55 ; 31.4,31.775 29.9,30.275 19.775,30.275 18.05,32 18.05,33.75 C25.2@18.85,34.55
  Top Layer w0.4: v1(43.8,55.75) 43.8,53.868 ccw(c44.568,53.868) 43.85,53.596 ccw(c44.568,53.868) v1(44.025,53.325)
  Top Layer w0.6: C23.2@19.8,62.35 ccw(c19.8,63.919) 20.91,62.81 v1(21.1,63) ; v1(21.1,5) 22.2,6.1 25.7,6.1 ; v1(27.45,25.05) 28.3,24.2 28.3,23 28.45,22.85 C26.2@28.5,22.85 28.35,22.7 27.75,22.7 25.7,20.65 25.7,6.1 ; U3.1@29.125,37.125 29.125,36.727 ccw(c31.665,36.727) 29.869,34.931 TP4.1@31.075,33.725 TP4.1@31.1,33.7 ; 31.4,31.775 31.425,31.775 32,31.2 v1(32,30) ; 31.4,31.8 31.1,32.1 TP4.1@31.1,33.7 ; v1(35.5,6.1) 25.7,6.1 ; v1(49.6,26.45) 58,26.45 59.35,25.1 v1(59.35,25.05) ; v1(59.55,44.1) 59.375,43.925 47.625,43.925 ccw(c47.625,42.075) 45.775,42.075 45.775,41.4 cw(c44.625,41.4) 44.625,40.25 43.619,40.25 ccw(c43.619,38.031) 42.05,39.6 41.544,39.094 ccw(c43.34,37.298) 40.8,37.298 v1(40.8,37.25) C24.2@40.8,35.95 40.152,35.95 ccw(c40.152,33.41) 38.356,35.206 36.594,33.444 cw(c34.798,35.24) 34.798,32.7 33.152,32.7 cw(c33.152,35.24) 31.356,33.444 TP4.1@31.1,33.7
  Bottom Layer w0.2: 9.825,33.7 v1(9.825,35.525)
  Bottom Layer w0.3: D16.1@0.85,5.98 1.73,5.98 1.95,6.2 1.95,6.555 1.655,6.85 -1.9,6.85 -2.6,6.15 -2.6,3.6 -1.45,2.45 20.55,2.45 21.1,3 21.1,4.93 20.05,5.98 D15.1@19.9,5.98 ; D6.1@0.85,44.08 0.88,44.05 1.7,44.05 3.6,42.15 3.6,35.3 5.2,33.7 9.825,33.7 16.35,33.7 17.225,34.575 v1(17.825,34.575) ; D5.1@19.9,44.08 20,43.98 20.82,43.98 21.95,42.85 21.95,40.1 22.2,39.85 22.2,37.05 v1(22.35,36.9) ; D14.1@38.95,5.98 39.83,5.98 40.05,6.2 40.05,6.555 39.755,6.85 36.2,6.85 35.5,6.15 v1(35.5,6.1) 35.5,3.5 36.55,2.45 41.025,2.45 43.925,5.35 49.675,5.35 52.575,2.45 58.55,2.45 59.2,3.1 59.2,4.93 58.15,5.98 D13.1@58,5.98
  Bottom Layer w0.4: D1.1@0.85,63.13 1,63.13 2.13,62 14.85,62 17,64.15 19.5,64.15 19.9,63.75 19.9,63.246 19.784,63.13 D2.1@19.9,63.13 v1@21.1,63.13 ; v1(21.1,63) 21.25,63.15 34.22,63.15 36.376,65.306 38.336,65.306 38.95,64.693 D3.1@38.95,63.13 40.67,63.13 44.7,59.1 44.7,56.65 v1(43.8,55.75) ; D4.1@38.95,44.08 D4.1@38.975,44.105 ; v1(40.8,37.25) 40.8,43 39.77,44.03 39.05,44.03 D4.1@38.975,44.105 ; v1(44.025,53.325) 44.025,48.275 40.8,45.05 39.4,45.05 39,44.65 39,44.13 D4.1@38.975,44.105
  Bottom Layer w0.6: D7.1@0.85,25.03 13.88,25.03 15.2,26.35 18.53,26.35 19.85,25.03 D8.1@19.9,25.03 19.92,25.05 v1(27.45,25.05) 32,25.05 ; v1(32,30) 32,25.05 ; v1(49.6,26.45) 41.3,26.45 39.88,25.03 D9.1@38.95,25.03 38.9,25.03 37.83,26.1 36.1,26.1 35.05,25.05 32,25.05 ; D12.1@58,25.03 59.33,25.03 v1(59.35,25.05) ; D11.1@58,44.08 cw(c58.048,44.032) 58.048,44.1 v1(59.55,44.1) 61.606,46.156 ccw(c59.81,47.952) 62.35,47.952 62.35,53.448 cw(c64.89,53.448) 63.094,55.244 ccw(c61.51,56.828) 63.75,56.828 63.75,59.348 ccw(c61.21,59.348) 63.006,61.144 61.764,62.386 ccw(c59.968,60.59) 59.968,63.13 D10.1@58,63.13
VDD_P3V3: C6.1 C7.1 C8.1 C12.1 C14.1 J3.1 L4.1 U1.A22 U1.AD14 U1.AD23 U1.B1 U1.W1 | length 53.8
  Top Layer w0.2: J3.1@-1.525,45.085 -1.41,45.2 -0.15,45.2 v1(0.2,45.55)
  Top Layer w0.25: v1(6.7,49.075) 7.05,49.075 C12.1@7.6,49.625 7.625,49.65 U1.A22@8.9,49.65 ; v1(7.15,40.8) C14.1@7.15,41.775 7.975,42.6 7.975,42.725 U1.B1@9.4,44.15 ; U1.W1@13.9,44.15 13.9,43.05 14.275,42.675 14.275,41.25 C6.1@14.575,40.95 ; U1.AD14@15.4,47.65 C7.1@16.775,47.65 v1(16.775,48.425) ; U1.AD23@15.4,50.15 15.675,50.425 C8.1@16.775,50.425 16.825,50.475 v1@16.825,51 ; v1(16.7,41.675) 16.7,42.075 17.1,42.475 L4.1@17.15,42.475
  Top Layer w0.6: v1(13.525,40.925) 14.55,40.925 C6.1@14.575,40.95
  Bottom Layer w0.2: v1(0.2,45.55) 3.1,45.55 4.225,44.425 7.15,44.425
  Bottom Layer w0.6: v1(6.7,49.075) 7.15,48.625 7.15,44.425 v1(7.15,40.8) 7.275,40.925 v1(13.525,40.925) 14.275,41.675 v1(16.7,41.675) 16.4,41.975 16.4,48.05 v1(16.775,48.425) 16.8,48.45 v1(16.8,51)
VDD_VBUS: C41.2 R1.2 R2.1 SW0.2 TP2.1 U2.6 | length 58.3
  Top Layer w0.203: v1(31.064,49.855) R2.1@31.86,49.855
  Top Layer w0.3: R1.2@19.825,64.025 v1(21.075,64.025)
  Top Layer w0.381: C41.2@35.323,46.566 U2.6@35.323,48.104
  Top Layer w0.762: C41.2@35.321,46.564 35.562,46.564 ccw(c35.562,49.104) C41.2@35.663,46.566 ; C41.2@35.323,46.566 C41.2@35.663,46.566 ; SW0.2@41.225,65.475 40.717,64.967 ccw(c42.51,63.175) 39.975,63.175 39.975,62.075 ccw(c41.075,62.075) 39.975,62.046 ccw(c41.075,62.075) 41.075,60.975 cw(c41.075,59.889) 41.843,60.657 44.331,58.169 cw(c42.535,56.373) 45.075,56.373 45.075,53.252 cw(c42.535,53.252) 44.331,51.456 42.994,50.119 cw(c41.198,51.915) 41.198,49.375 40.075,49.375 ccw(c40.075,47.806) 38.965,48.915 37.358,47.308 cw(c35.562,49.104) C41.2@35.663,46.566
  Bottom Layer w0.2: v1(31.064,49.855) 31.695,49.855 32.325,49.225 32.325,48.475 33.375,47.425 v1(35.325,47.425)
  Bottom Layer w0.3: v1(21.075,64.025) 21.156,64.025 21.531,63.65 34.013,63.65 36.213,65.85 38.5,65.85 v1(40.175,64.175)
VDDH: C18.1 C36.2 D17.3 U1.Y2 U3.5 | length 19.5
  Top Layer w0.25: U1.Y2@14.15,44.65 14.15,44.574 14.308,44.415 14.308,43.242 14.775,42.775 14.775,41.975 15.775,40.975 C18.1@15.775,40.95
  Top Layer w0.4: C18.1@15.775,40.95 cw(c15.896,40.829) 15.896,41 20.548,41 ccw(c20.548,43.54) 22.344,41.744 D17.3@22.425,41.825
  Top Layer w0.6: D17.3@22.425,41.825 26.275,41.825 cw(c26.275,40.625) 27.475,40.625 C36.2@27.475,39.8 cw(c27.5,39.8) 27.5,39.825 U3.5@29.125,39.825
VLi-Ion: C35.2 D17.1 Q1.4 R7.1 SW0.6 TP3.1 U2.1 | length 45.4
  Top Layer w0.2: v1(25.875,40.875) 25.875,36.353 R7.1@26.304,35.925 26.431,35.798 Q1.4@26.431,34.947
  Top Layer w0.381: U2.1@35.323,50.054 C35.2@35.323,51.592
  Top Layer w0.762: D17.1@24.725,40.875 v1(25.875,40.875) ; C35.2@35.321,51.594 35.932,51.594 ccw(c35.932,53.795) 37.488,52.238 v1@37.45,52.2 ; v1(37.45,52.175) v1@37.45,52.2 ; SW0.6@38.725,62.675 38.725,62.127 ccw(c41.265,62.127) 39.469,60.331 40.481,59.319 cw(c38.685,57.523) 41.225,57.523 41.225,57.027 cw(c38.685,57.027) 40.481,55.231 v1(38.55,53.3) v1@37.45,52.2
  Bottom Layer w0.762: v1(25.875,40.875) 31.198,40.875 ccw(c31.198,43.415) 32.994,41.619 34.037,42.662 ccw(c32.8,43.9) 34.55,43.9 cw(c37.025,43.9) 35.275,45.65 36.131,46.506 ccw(c34.335,48.302) 36.875,48.302 36.875,50.573 cw(c39.415,50.573) 37.619,52.369 v1@37.45,52.2 ; v1(37.45,52.175) v1@37.45,52.2 ; v1(38.55,53.3) v1@37.45,52.2
  other v1: 37.975,52.725
XC1: C1.1 U1.B24 X1.1 | length 5.8
  Top Layer w0.15: C1.1@5.555,53.439 5.555,52.145 6.05,51.65 8.4,51.65 U1.B24@9.4,50.65
XC2: C2.1 U1.A23 X1.3 | length 4.3
  Top Layer w0.15: C2.1@6.555,49.883 6.555,50.861 X1.3@6.63,50.936 7.018,51.325 8.3,51.325 8.9,50.725 U1.A23@8.9,50.15
pads on no net: A1.2 D16.2 D16.3 J1.2 J1.3 J1.8 J1.10 J1.11 J1.14 J1.15 J1.17 J1.20 J1.22 J1.23 J1.@25.07,58.9 J1.@32.07,58.9 J2.0 J3.6 J3.7 J3.8 J3.10 SW0.0 SW0.1 SW0.4 SW1.9 SW2.9 SW3.9 SW4.9 SW5.9 SW6.9 SW7.9 SW8.9 SW9.9 SW10.9 SW11.9 SW12.9 SW13.9 SW14.9 SW15.9 SW16.9 U3.4

## Polygon pours and split planes (outlines as drawn)
GND on Top Layer "Top_Layer-GND" (solid, remove dead copper, pour order 11): -9.35,-9.6 -9.35,66.675 66.85,66.675 66.85,-9.6
NetFB2_1 on Top Layer "Top Layer-NetFB2_1" (solid, pour order 6): 38.25,66.675 20.275,66.675 20.275,65.675 21.35,65.675 21.975,65.075 21.975,57.475 34.675,57.475 34.725,57.425 34.725,62.676 cw(c36.774,62.676) 35.325,64.125 35.931,64.731 cw(c37.727,62.935) 37.727,65.475 38.25,65.475
GND on Bottom Layer "Bottom_Layer-GND" (solid, remove dead copper, pour order 13): -9.35,-9.6 -9.35,66.675 66.85,66.675 66.85,-9.6

## Keep-outs
Keep-Out Layer:
  the board outline again, w0.152

## Other copper
Top Layer:
  pour cut-out: 27.225,58.5 25.95,58.5 25.95,57.4 27.225,57.4
  pour cut-out: 18.55,63.25 18.55,63.75 19.6,63.75 19.6,63.25
  pour cut-out: -2.715,60.145 -12.515,60.145 -12.525,70.005 -12.515,70.015 -2.715,70.015
  pour cut-out: 18.4,42.9 16.9,42.9 16.9,45.4 18.4,45.4
  pour cut-out: 16.137,49.973 15.077,48.913 13.309,50.68 14.37,51.741
  pour cut-out: 12.9,47.65 11.4,47.65 11.4,50.15 12.9,50.15
  pour cut-out: 12.475,53.476 12.475,50.732 9.579,50.732 9.579,53.476
  pour cut-out: 5.17,42.68 5.305,42.68 5.305,42.879 5.17,42.879
  pour cut-out: 6.345,42.605 6.694,42.605 6.694,43.378 6.194,43.378

## Silkscreen, mask and mechanical layers (free items; w line width, h text height)
Top Overlay:
  lines w0.2: 36.725,65.825 37.7,65.825 36.7,65.825 36.7,62.325 37.7,62.325 ; 44.75,65.825 45.75,65.825 45.75,62.325 44.75,62.325 45.725,62.325
  text "Power" at 47.1,62.3 h1.8 r90
  text "v 1.0" at 4.5,61.75 h1
  text "ON" at 37.875,60.475 h1.78
  text "OFF" at 42.675,60.475 h1.78
  text "'.Print_Date'" at 2.3,60.15 h1
  text "nRF52840" at 16.525,45.775 h1
  text "DEBUG" at -7.45,45.75 h1.5 r90
  text "OYSM nRF Keyboard Pad" at 2.875,24.4 h3.6
  text "SN:" at -8.2,22.2 h2
  text "'.Print_Date'" at 31.55,21.7 h3
  text "v 1.0" at 15.4,21.55 h3
Mechanical 1:
  the board outline again, w0.152

## Text inside footprints (layer, text, board x,y; h text height)
J3: Top Overlay "1" at 0.975,44.925 h1.02 r90